# Altium PCB radxa_cm3i_io_board_v1.4.PcbDoc (part 9 of 9)
Units mil, origin at the board's own origin, x right, y up, seen from the top; angles counter-clockwise.
Board outline 7886.22 x 5511.42 mil, 4 copper layers (Top, GND, Power, Bottom), stack 35.4 mil thick; 724 components, 544 nets, 2607 pads, 3449 vias.
Unrouted connection lines stored in the file: 2847.
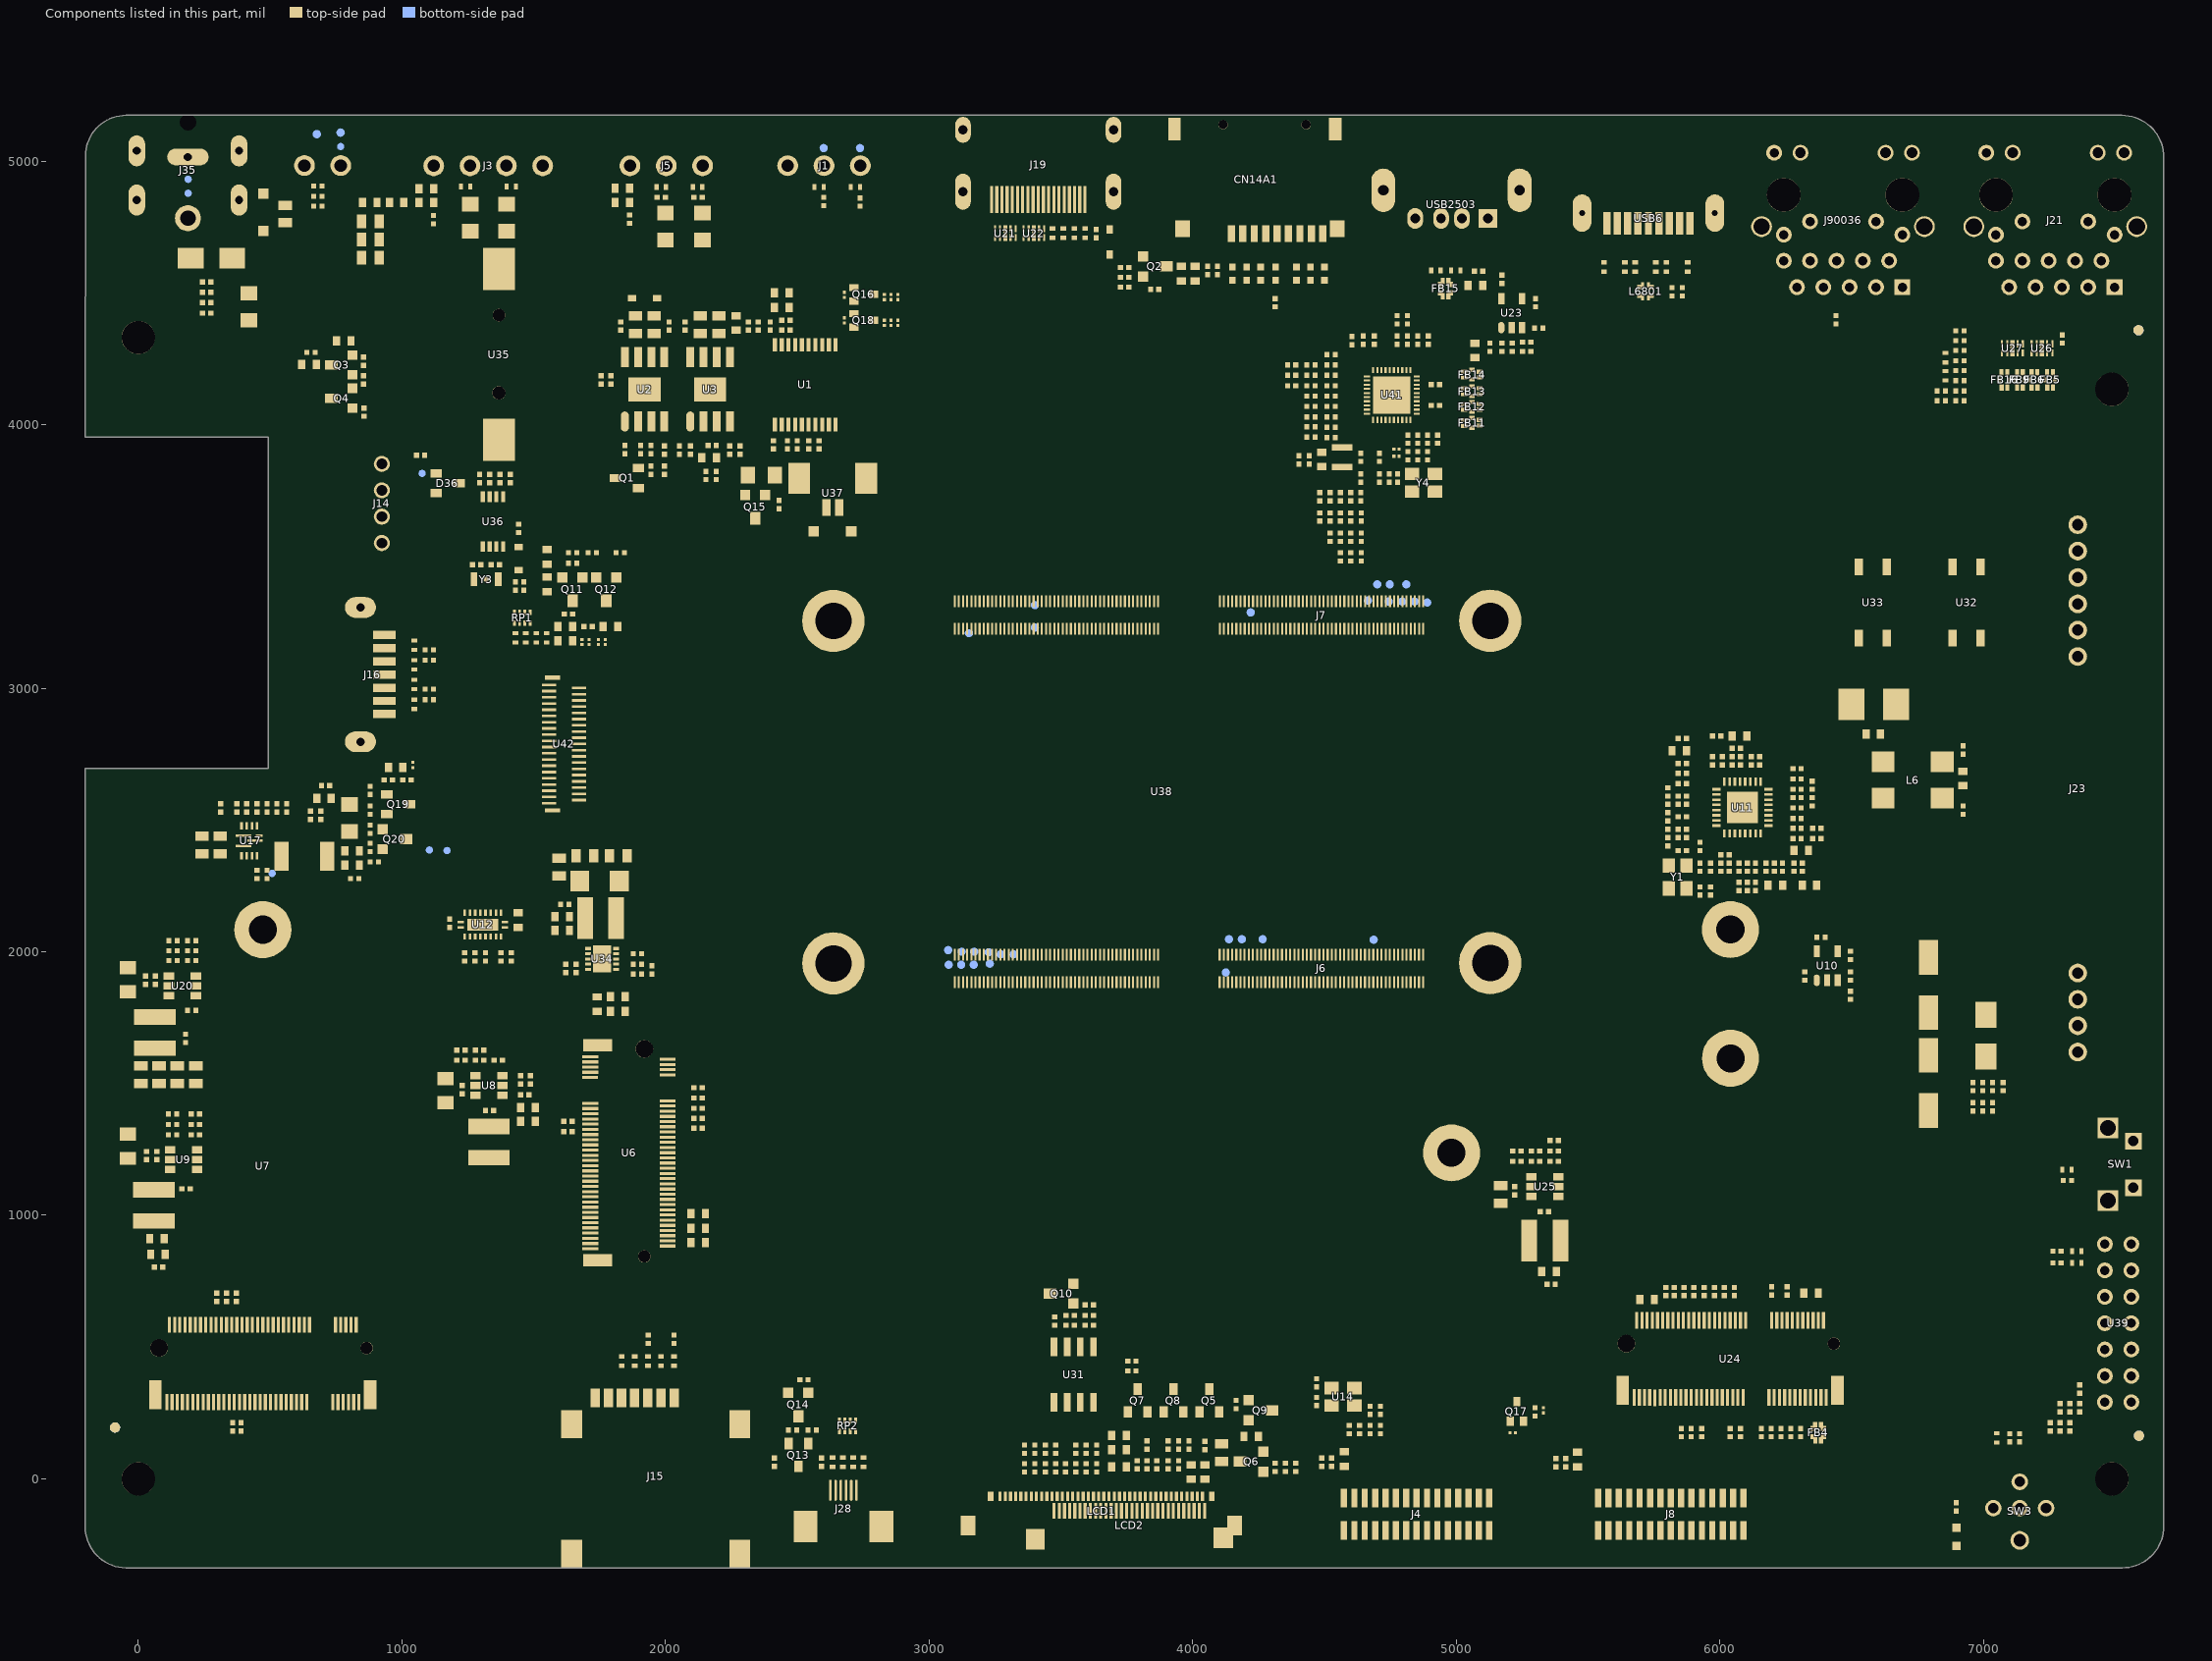
[diagram p11: the components of this part, seen from the top]

## Other copper
Top:
  region net VCC12V: 539.37,4425.2 387.8,4425.2 387.8,4291.34 539.37,4291.34 539.37,4425.2
  region net VCC5V0_USB: 2643.7,3710.63 2643.7,3557.09 2816.93,3557.09 2816.93,3710.63 2643.7,3710.63
  region net VCC5V0_USB: 2996.06,3535.43 2915.35,3535.43 2915.35,4645.67 2996.06,4645.67 2996.06,3535.43
  region net +5V_INPUT: 683.07,2358.27 683.07,2090.55 704.72,2068.9 942.91,2068.9 1124.02,2250 1124.02,2368.11 986.22,2368.11 875.98,2257.87 818.9,2257.87 814.96,2261.81 814.96,2358.27 683.07,2358.27
  region net VCC5V_P: -124.02,2616.14 -155.51,2616.14 -155.51,2576.77 -124.02,2576.77 -124.02,2616.14
  region net VCC3V3_MKEY: 1976.38,1047.24 2120.08,1047.24 2120.08,870.08 1974.41,870.08 1974.41,909.45 2045.28,909.45 2051.18,915.35 2051.18,970.47 2045.28,976.38 1976.38,976.38 1976.38,1047.24
  region net 3V3_EKEY: 5712.6,566.93 5712.6,748.03 5366.14,748.03 5366.14,720.47 5385.83,700.79 5661.42,700.79 5673.23,688.98 5673.23,566.93 5712.6,566.93
  region net 3V3_EKEY: 5429.13,984.25 5364.17,984.25 5364.17,720.47 5383.86,700.79 5429.13,700.79 5429.13,984.25
  region net VCC12V: 429.13,2435.04 429.13,2446.85 381.89,2446.85 370.08,2458.66 370.08,2501.97 332.68,2539.37 210.63,2539.37 210.63,2419.29 377.95,2419.29 393.7,2435.04 429.13,2435.04
  region net N18573914: 6574.8,2624.02 6574.8,2492.13 6667.32,2492.13 6667.32,2624.02 6574.8,2624.02
  region net LCD_12V: 4057.09,120.08 4025.59,120.08 4025.59,31.5 4057.09,31.5 4057.09,120.08
  region net VCC5V0_USB: 5082.68,4818.9 5135.83,4818.9 5149.61,4805.12 5149.61,4552.17 5154.53,4547.24 5194.88,4547.24 5204.23,4537.89 5204.23,4458.66 5192.67,4447.1 5100.39,4447.1 5088.71,4458.78 5088.71,4600.39 5088.58,4600.39 5082.68,4606.3 5082.68,4818.9
  region net VCC5V_P: 4013.78,82.68 3962.6,82.68 3962.6,31.5 4013.78,31.5 4013.78,82.68
  region net N18274624: 2622.05,3720.47 2500,3720.47 2500,3537.4 2622.05,3537.4 2622.05,3720.47
  region net N17840608: 80.71,4590.55 248.03,4590.55 248.03,4875.98 118.11,4875.98 80.71,4838.58 80.71,4590.55
  region net VCC12V: 4234.25,181.1 4360.24,181.1 4360.24,80.71 4234.25,80.71 4234.25,181.1
  region net VCC5V0_USB: 5110.24,4818.9 5155.51,4818.9 5155.51,4649.61 5110.24,4649.61 5110.24,4818.9
  region net VCC12V_DCIN: 6716.54,1840.55 7051.18,1840.55 7051.18,1700.79 6716.54,1700.79 6716.54,1840.55
  region net 3V3_BKEY: 106.3,553.15 161.42,553.15 161.42,1009.84 -19.68,1009.84 -19.68,942.91 82.68,942.91 82.68,576.77 106.3,553.15
  region net VCC_LEDK1: 1757.87,2336.61 1757.87,2598.43 1730.32,2625.98 1694.88,2625.98 1706.69,2614.17 1706.69,2336.61 1757.87,2336.61
  region net VCC3V3_MKEY: 1250,1248.03 1456.69,1248.03 1472.44,1263.78 1472.44,1470.47 1566.93,1470.47 1566.93,1222.44 1541.34,1185.04 1250,1185.04 1250,1248.03
  region net +5V_INPUT: 3275.59,3433.07 3187.01,3433.07 3187.01,3307.09 3275.59,3307.09 3275.59,3433.07
  region net RN1_V+: 6616.14,3545.28 6706.69,3545.28 6706.69,3421.26 6616.14,3421.26 6616.14,3545.28
  region net VCC3V3_SYS: -19.68,1665.35 246.06,1665.35 246.06,1545.28 -19.68,1545.28 -19.68,1665.35
  region net EDP-VLED: 4031.5,-92.52 3960.63,-92.52 3960.63,-169.29 4031.5,-169.29 4031.5,-92.52
  region net VCC12V_DCIN: 303.15,4470.47 779.53,4470.47 866.14,4537.4 866.14,5023.62 687.01,5023.62 687.01,4812.99 657.48,4783.46 307.09,4783.46 303.15,4779.53 303.15,4470.47
  region net VCC5V0_USB: 1600.39,2000 1561.02,2000 1561.02,2100.39 1600.39,2100.39 1600.39,2000
  region net VCC_LEDK1: 1732.28,2336.61 1805.12,2336.61 1805.12,2413.39 1732.28,2413.39 1732.28,2336.61
  region net VCC5V_P: 661.42,4206.69 767.72,4206.69 767.72,4336.61 661.42,4336.61 661.42,4206.69
  region net N18083666: 4393.7,3860.24 4608.27,3860.24 4608.27,3818.9 4393.7,3818.9 4393.7,3860.24
  region net N18229258: 5246.06,824.8 5328.74,824.8 5328.74,1084.65 5246.06,1084.65 5246.06,824.8
  region net VCC5V0_USB: 793.31,4246.06 875.98,4246.06 881.89,4240.16 881.89,3913.39 1035.43,3913.39 1035.43,4322.83 1015.75,4342.52 793.31,4342.52 793.31,4246.06
  region net +5V_INPUT: 643.7,2513.78 836.61,2513.78 836.61,2427.17 814.96,2405.51 814.96,2305.12 683.07,2305.12 683.07,2446.85 671.26,2458.66 643.7,2458.66 643.7,2513.78
  region net TN1_V+: 6972.44,3543.31 7062.99,3543.31 7062.99,3425.2 6972.44,3425.2 6972.44,3543.31
  region net VCC5V0_USB: 716.54,2645.67 716.54,2529.53 836.61,2529.53 836.61,2645.67 716.54,2645.67
  region net VCC_LEDA1: 1476.38,2279.53 1531.5,2279.53 1531.5,2545.28 1543.31,2557.09 1545.28,2557.09 1545.28,2566.93 1490.16,2566.93 1476.38,2553.15 1476.38,2279.53
  region net VCC_LCD: 3598.43,-84.65 3669.29,-84.65 3669.29,-47.24 3708.66,-7.87 3708.66,185.04 3665.35,185.04 3665.35,49.21 3653.54,37.4 3624.02,37.4 3624.02,-13.78 3598.43,-39.37 3598.43,-84.65
  region net VCC12V: 5305.12,1094.49 5141.73,1094.49 5141.73,1173.23 5253.94,1173.23 5253.94,1125.98 5257.87,1122.05 5305.12,1122.05 5305.12,1094.49
  region net VIN_GND: 6801.18,2543.31 6974.41,2543.31 6990.16,2559.06 6990.16,2624.02 6970.47,2643.7 6801.18,2643.7 6801.18,2543.31
  region net VCC12V: 23.62,1218.5 86.61,1218.5 92.52,1224.41 141.73,1224.41 141.73,1194.88 98.43,1194.88 55.12,1151.57 -102.36,1151.57 -102.36,1246.06 -3.94,1246.06 23.62,1218.5
  region net N18573839: 6663.39,2681.1 6570.87,2681.1 6419.29,2832.68 6419.29,2982.28 6551.18,2982.28 6551.18,2899.61 6570.87,2879.92 6570.87,2801.18 6580.71,2791.34 6663.39,2791.34 6663.39,2681.1
  region net LCD_I/O: 3509.84,537.4 3641.73,537.4 3641.73,464.57 3509.84,464.57 3509.84,537.4
  region net 3V3_EKEY: 6354.33,734.25 6354.33,683.07 6368.11,669.29 6368.11,568.9 6407.48,568.9 6407.48,734.25 6354.33,734.25
  region net N18573914: 6618.11,2956.69 6618.11,2887.8 6594.49,2864.17 6594.49,2807.09 6757.87,2807.09 6846.46,2895.67 6846.46,2956.69 6618.11,2956.69
  region net EDP-VLED: 4070.87,23.62 3978.35,23.62 3952.76,-1.97 3952.76,-84.65 4023.62,-84.65 4023.62,-45.28 4037.4,-31.5 4070.87,-31.5 4070.87,23.62
  region net N19228919: 1246.06,1468.5 1326.77,1468.5 1326.77,1301.18 1246.06,1301.18 1246.06,1468.5
  region net VCC_LCD: 3458.66,328.74 3677.17,328.74 3708.66,297.24 3708.66,143.7 3665.35,143.7 3665.35,230.31 3639.76,255.91 3458.66,255.91 3458.66,328.74
  region net VCC3V3_SD: 4224.41,2055.12 4224.41,1964.57 4279.53,1964.57 4279.53,2055.12 4224.41,2055.12
  region net VCC12V: 210.63,2490.16 210.63,2600.39 291.34,2600.39 291.34,2490.16 210.63,2490.16
  region net TN2_V+: 6903.54,3543.31 6811.02,3543.31 6811.02,3427.17 6903.54,3427.17 6903.54,3543.31
  region net RN2_V+: 6545.28,3543.31 6454.72,3543.31 6454.72,3425.2 6545.28,3425.2 6545.28,3543.31
  region net N17923771: 1726.38,2045.28 1622.05,2045.28 1622.05,2210.63 1726.38,2210.63 1726.38,2045.28
  region net POE_12V: 6750,1675.2 7066.93,1675.2 7255.91,1864.17 7397.64,1864.17 7397.64,1777.56 7312.99,1777.56 7070.87,1535.43 6750,1535.43 6750,1675.2
  region net LCD_I/O: 3541.34,629.92 3602.36,629.92 3602.36,494.09 3541.34,494.09 3541.34,629.92
  region net N18573839: 6901.57,3224.41 6809.06,3224.41 6809.06,3104.33 6901.57,3104.33 6901.57,3224.41
  region net N18274624: 2374.02,3665.35 2318.9,3665.35 2318.9,3541.34 2374.02,3541.34 2374.02,3665.35
  region net VCC3V3_MKEY: 2017.72,1507.87 2037.4,1507.87 2047.24,1517.72 2047.24,1541.34 2041.34,1547.24 1976.38,1547.24 1976.38,1604.33 2102.36,1604.33 2120.08,1586.61 2120.08,1433.07 2072.83,1433.07 2057.09,1448.82 2017.72,1448.82 2017.72,1507.87
  region net IN_VIN+: 6801.18,2759.84 6960.63,2759.84 6978.35,2742.13 6978.35,2694.88 6954.72,2671.26 6801.18,2671.26 6801.18,2759.84
  region net N18573839: 6419.29,3224.41 6551.18,3224.41 6551.18,2877.95 6419.29,2877.95 6419.29,3224.41
  region net VCC12V: 1299.21,1478.35 1098.43,1478.35 1098.43,1562.99 1246.06,1562.99 1246.06,1511.81 1251.97,1505.91 1299.21,1505.91 1299.21,1478.35
  region net VCC5V0_USB: 1273.62,2610.24 1332.68,2610.24 1332.68,2545.28 1273.62,2545.28 1273.62,2610.24
  region net VCC3V3_SD_1: 3862.2,4503.94 3925.2,4503.94 3925.2,4622.05 3862.2,4622.05 3862.2,4503.94
  region net VCC_LCD: 3685.04,-92.52 3716.54,-92.52 3716.54,-188.98 3685.04,-188.98 3685.04,-92.52
  region net N19228919: 1246.06,1301.18 1413.39,1301.18 1413.39,1375.98 1246.06,1375.98 1246.06,1301.18
  region net VCC3V3_SYS: 3850.39,4421.26 3791.34,4421.26 3791.34,4582.68 3850.39,4582.68 3850.39,4421.26
  region net N18369195: 55.12,1127.95 113.19,1186.02 169.29,1186.02 175.2,1181.1 175.2,1064.96 -23.62,1064.96 -23.62,1127.95 55.12,1127.95
  region net VCC12V_DCIN: 6137.8,4399.61 6216.54,4399.61 6216.54,4328.74 6137.8,4328.74 6137.8,4399.61
  region net LCD_12V: 4212.6,181.1 4153.54,181.1 4153.54,31.5 4212.6,31.5 4212.6,181.1
  region net N18573914: 6738.19,3224.41 6618.11,3224.41 6618.11,2879.92 7062.99,2879.92 7062.99,3224.41 6966.54,3224.41 6966.54,3059.06 6960.63,3053.15 6748.03,3053.15 6738.19,3062.99 6738.19,3224.41
  region net N19323495: 413.39,2415.35 413.39,2427.17 572.83,2427.17 572.83,2297.24 509.84,2297.24 509.84,2326.77 503.94,2332.68 468.5,2332.68 468.5,2387.8 440.94,2415.35 413.39,2415.35
  region net VCC_LEDA1: 1714.57,2226.38 1509.84,2226.38 1476.38,2259.84 1476.38,2362.2 1531.5,2362.2 1531.5,2330.71 1543.31,2318.9 1714.57,2318.9 1714.57,2226.38
  region net N17923777: 1781.5,2307.09 1874.02,2307.09 1874.02,2021.65 1838.58,1986.22 1801.18,1986.22 1801.18,2029.53 1781.5,2049.21 1781.5,2307.09
  region net VCC12V: 135.83,1885.83 -104.33,1885.83 -104.33,1807.09 35.43,1807.09 84.65,1856.3 135.83,1856.3 135.83,1885.83
  region net LCD_12V: 4025.59,31.5 4212.6,31.5 4212.6,88.58 4025.59,88.58 4025.59,31.5
  region net PHY1_REG_OUT: 4527.56,3931.1 4557.09,3931.1 4562.99,3937.01 4562.99,3972.44 4635.83,4045.28 4673.23,4045.28 4673.23,4011.81 4616.14,3954.72 4616.14,3899.61 4527.56,3899.61 4527.56,3931.1
  region net N19638712: 147.64,1846.46 92.52,1846.46 37.4,1791.34 -17.72,1791.34 -17.72,1722.44 147.64,1722.44 147.64,1846.46
Power:
  region net TN2_V+: 6895.67,3543.31 6818.9,3543.31 6818.9,3486.22 6895.67,3486.22 6895.67,3543.31
  region net RN2_V+: 6539.37,3545.28 6462.6,3545.28 6462.6,3488.19 6539.37,3488.19 6539.37,3545.28
  region net TN1_V+: 6978.35,3545.28 7055.12,3545.28 7055.12,3486.22 6978.35,3486.22 6978.35,3545.28
  region net VCC5V_P: 3962.6,31.5 4011.81,31.5 4011.81,84.65 3962.6,84.65 3962.6,31.5
  region net VCC12V_DCIN: 6133.86,4419.29 6198.82,4419.29 6212.6,4405.51 6212.6,4328.74 6133.86,4328.74 6133.86,4419.29
  region net RN1_V+: 6696.85,3543.31 6622.05,3543.31 6622.05,3484.25 6696.85,3484.25 6696.85,3543.31
  region net VCC5V_P: -116.14,2584.65 -155.51,2584.65 -155.51,2618.11 -116.14,2618.11 -116.14,2584.65
Bottom:
  region net +5V_INPUT: 3257.87,3474.41 3196.85,3474.41 3196.85,3356.3 3257.87,3356.3 3257.87,3474.41
  region net EDP-VLED: 4033.46,-33.46 3950.79,-33.46 3950.79,-169.29 4033.46,-169.29 4033.46,-33.46
  region net VCC5V0_USB: 726.38,2641.73 805.12,2641.73 805.12,2572.83 726.38,2572.83 726.38,2641.73
  region net N18573914: 6706.69,2852.36 6706.69,2541.34 6659.45,2494.09 6588.58,2494.09 6588.58,2531.5 6631.89,2574.8 6631.89,2852.36 6706.69,2852.36
  region net N18274624: 2322.83,3612.2 2322.83,3537.4 2578.74,3537.4 2578.74,3612.2 2322.83,3612.2
  region net VCC12V: 352.36,2523.62 352.36,2462.6 234.25,2462.6 210.63,2486.22 210.63,2600.39 287.4,2600.39 287.4,2537.4 301.18,2523.62 352.36,2523.62
  region net VCC5V0_USB: 954.72,3580.71 681.1,3580.71 681.1,3519.69 954.72,3519.69 954.72,3580.71
  region net VCC5V0_USB: 1273.62,2622.05 1332.68,2622.05 1332.68,2559.06 1273.62,2559.06 1273.62,2622.05
  region net +5V_INPUT: 1066.93,2399.61 1066.93,2250 1145.67,2250 1145.67,2399.61 1066.93,2399.61
  region net VCC_LCD: 3635.83,-11.81 3667.32,-11.81 3718.5,-62.99 3718.5,-188.98 3683.07,-188.98 3683.07,-94.49 3635.83,-47.24 3635.83,-11.81
  region net VCC5V0_USB: 1549.21,2078.74 1602.36,2078.74 1602.36,2000 1566.93,2000 1494.09,2072.83 1494.09,2131.89 1533.46,2131.89 1533.46,2094.49 1549.21,2078.74
  region net N18573839: 6419.29,3100.39 6901.57,3100.39 6901.57,3206.69 6419.29,3206.69 6419.29,3100.39
  region net VCC5V0_USB: 2643.7,3620.08 2643.7,3537.4 2996.06,3537.4 2996.06,3620.08 2643.7,3620.08
  region net VCC3V3_SYS: 112.2,1584.65 210.63,1584.65 210.63,1643.7 112.2,1643.7 112.2,1584.65
GND (plane layer: these items are gaps in the copper):
  region: 7597.02,-321.8 7577.88,-329.73 7557.86,-335.09 7537.32,-337.8 7526.95,-337.8 -47.72,-337.79 -57.88,-337.69 -78.01,-334.82 -97.59,-329.36 -116.29,-321.38 -120.49,-318.9 7602.04,-318.9
  lines w3.94: -214.57,-318.9 7702.76,-318.9 7702.76,5192.91 -214.57,5192.91 -214.57,-318.9

## Silkscreen, mask and mechanical layers (free items; w line width, h text height)
Silkscreen Top:
  drawing of 39801 lines, arcs and shapes, not listed
  text "12V_DC" at 901.57,4960.63 h23.62 r90
  text "input" at 734.25,4877.95 h23.62
  text "RS485" at 1486.22,4860.24 h23.62
  text "CAN" at 1688.98,4852.36 h23.62
  text "RS232" at 2375.98,4848.43 h23.62
  text "input" at -70.87,4775.59 h23.62 r90
  text "HDMI" at 3110.24,4751.97 h23.62
  text "12V_DC" at -120.08,4748.03 h23.62 r90
  text "USB2.0" at 4726.38,4667.32 h23.62
  text "TF" at 3996.06,4655.51 h23.62
  text "USB3.0" at 5405.51,4653.54 h23.62
  text "Ethernet 0" at 6173.23,4401.57 h23.62
  text "Ethernet 1" at 7015.75,4381.89 h23.62
  text "POE" at 6992.13,4320.87 h23.62
  text "CM3 lndustrial IO Board" at 2824.8,3944.88 h59.06
  text "BAT_RTC" at 1523.62,3881.89 h23.62
  text "POE 12V" at 7385.83,3854.33 h23.62
  text "V1.4" at 3293.31,3783.46 h59.06
  text "FAN" at 2858.27,3773.62 h23.62
  text "SATA" at 1061.02,3513.78 h23.62 r90
  text "-" at 2598.43,3494.09 h23.62
  text "+" at 2653.54,3494.09 h23.62
  text "Ext_PSU" at 1064.96,3251.97 h23.62 r90
  text "Low Speed" at 3393.7,3086.61 h23.62
  text "PCIE" at 4421.26,3082.68 h23.62
  text "MIPI_LCD" at 1834.65,2687.01 h23.62 r90
  text "P22" at 261.81,2141.73 h23.62
  text "High Speed" at 3419.29,2084.65 h23.62
  text "I/O" at 4472.44,2082.68 h23.62
  text "RECOVERY" at 7375.98,1216.54 h23.62 r90
  text "UART_RX" at 7051.18,864.17 h23.62
  text "UART_TX" at 7055.12,781.5 h23.62
  text "M_KEY" at 1809.06,696.85 h23.62
  text "GND" at 7112.2,692.91 h23.62
  text "SIM" at 1633.86,405.51 h23.62
  text "E_KEY" at 6521.65,312.99 h23.62
  text "B_KEY" at 480.32,155.51 h23.62
  text "EDP_TP" at 2805.12,29.53 h23.62
  text "Camera_1" at 5724.41,11.81 h23.62
  text "Camera_2" at 4769.69,3.94 h23.62
  text "EDP_LCD" at 3135.83,0 h23.62
  text "FAN" at 6757.87,-9.84 h23.62
  text "POWER_KEY" at 7324.8,-236.22 h23.62
Silkscreen Bottom:
  text "GND" at 1129.92,4881.89 h23.62 r90
  text "CAN_VSS" at 1875.98,4881.89 h23.62 r90
  text "12V" at 793.31,4879.92 h23.62 r90
  text "RS485_B" at 1405.51,4877.95 h23.62 r90
  text "CANH" at 2151.57,4877.95 h23.62 r90
  text "GND" at 659.45,4875.98 h23.62 r90
  text "GND" at 2490.16,4875.98 h23.62 r90
  text "RS485_A" at 1271.65,4874.02 h23.62 r90
  text "CANL" at 2017.72,4874.02 h23.62 r90
  text "RX" at 2765.75,4872.05 h23.62 r90
  text "TX" at 2631.89,4868.11 h23.62 r90
  text "GND" at 1541.34,4866.14 h23.62 r90
  text "12V" at 826.77,3832.68 h23.62
  text "GND" at 828.95,3728.94 h23.62
  text "GND" at 828.95,3628.54 h23.62
  text "5V" at 824.8,3533.46 h23.62
Assembly Drawing Top:
  drawing of 967 lines, arcs and shapes, not listed
Assembly Drawing Bottom:
  drawing of 3743 lines, arcs and shapes, not listed
Layer_103:
  drawing of 1381 lines, arcs and shapes, not listed
  text "PartType" at 187.86,5004.6 h7.5
  text "Ref.Des." at 132.9,4994.11 h9.84
  text "3" at 6693.19,4882.3 h50 r180
  text "3" at 7497.25,4882.3 h50 r180
  text "Value" at 7533.64,4517.7 h9.84 r180
  text "Value" at 6004.1,2089.1 h9.84
  text "CON1" at 6006.68,2071.71 h9.84
Layer_106:
  drawing of 487 lines, arcs and shapes, not listed
Layer_118:
  drawing of 348 lines, arcs and shapes, not listed
Layer_120:
  lines w1: 2630.07,1817.66 5122.49,1819.77
  lines w3.94: 2499.36,1953.09 ccw(c2631.83,1951.71) 2633.22,1819.24 5121.41,1819.24 ccw(c5121.18,1953.33) 5255.27,1953.09 5255.27,3259.79 ccw(c5119.51,3257.89) 5121.41,3393.64 2633.22,3393.64 ccw(c2630.93,3262.08) 2499.36,3259.79 2499.36,1953.09
  lines w10: 879.53,3585.83 879.53,4639.37 3085.83,4639.37 3085.83,3585.83 879.53,3585.83 ; 2051.18,1440.94 2051.18,3746.46 5699.61,3746.46 5699.61,1440.94 2051.18,1440.94
Layer_125:
  lines w3.94: 1234.25,2409.45 1234.25,3116.14 2108.27,3116.14 2108.27,2409.45 1234.25,2409.45 ; 1986.22,1531.5 1986.22,3694.88 5777.56,3694.88 5777.56,1531.5 1986.22,1531.5